# Altium PCB Main_Board.PcbDoc (part 2 of 19) (continued)
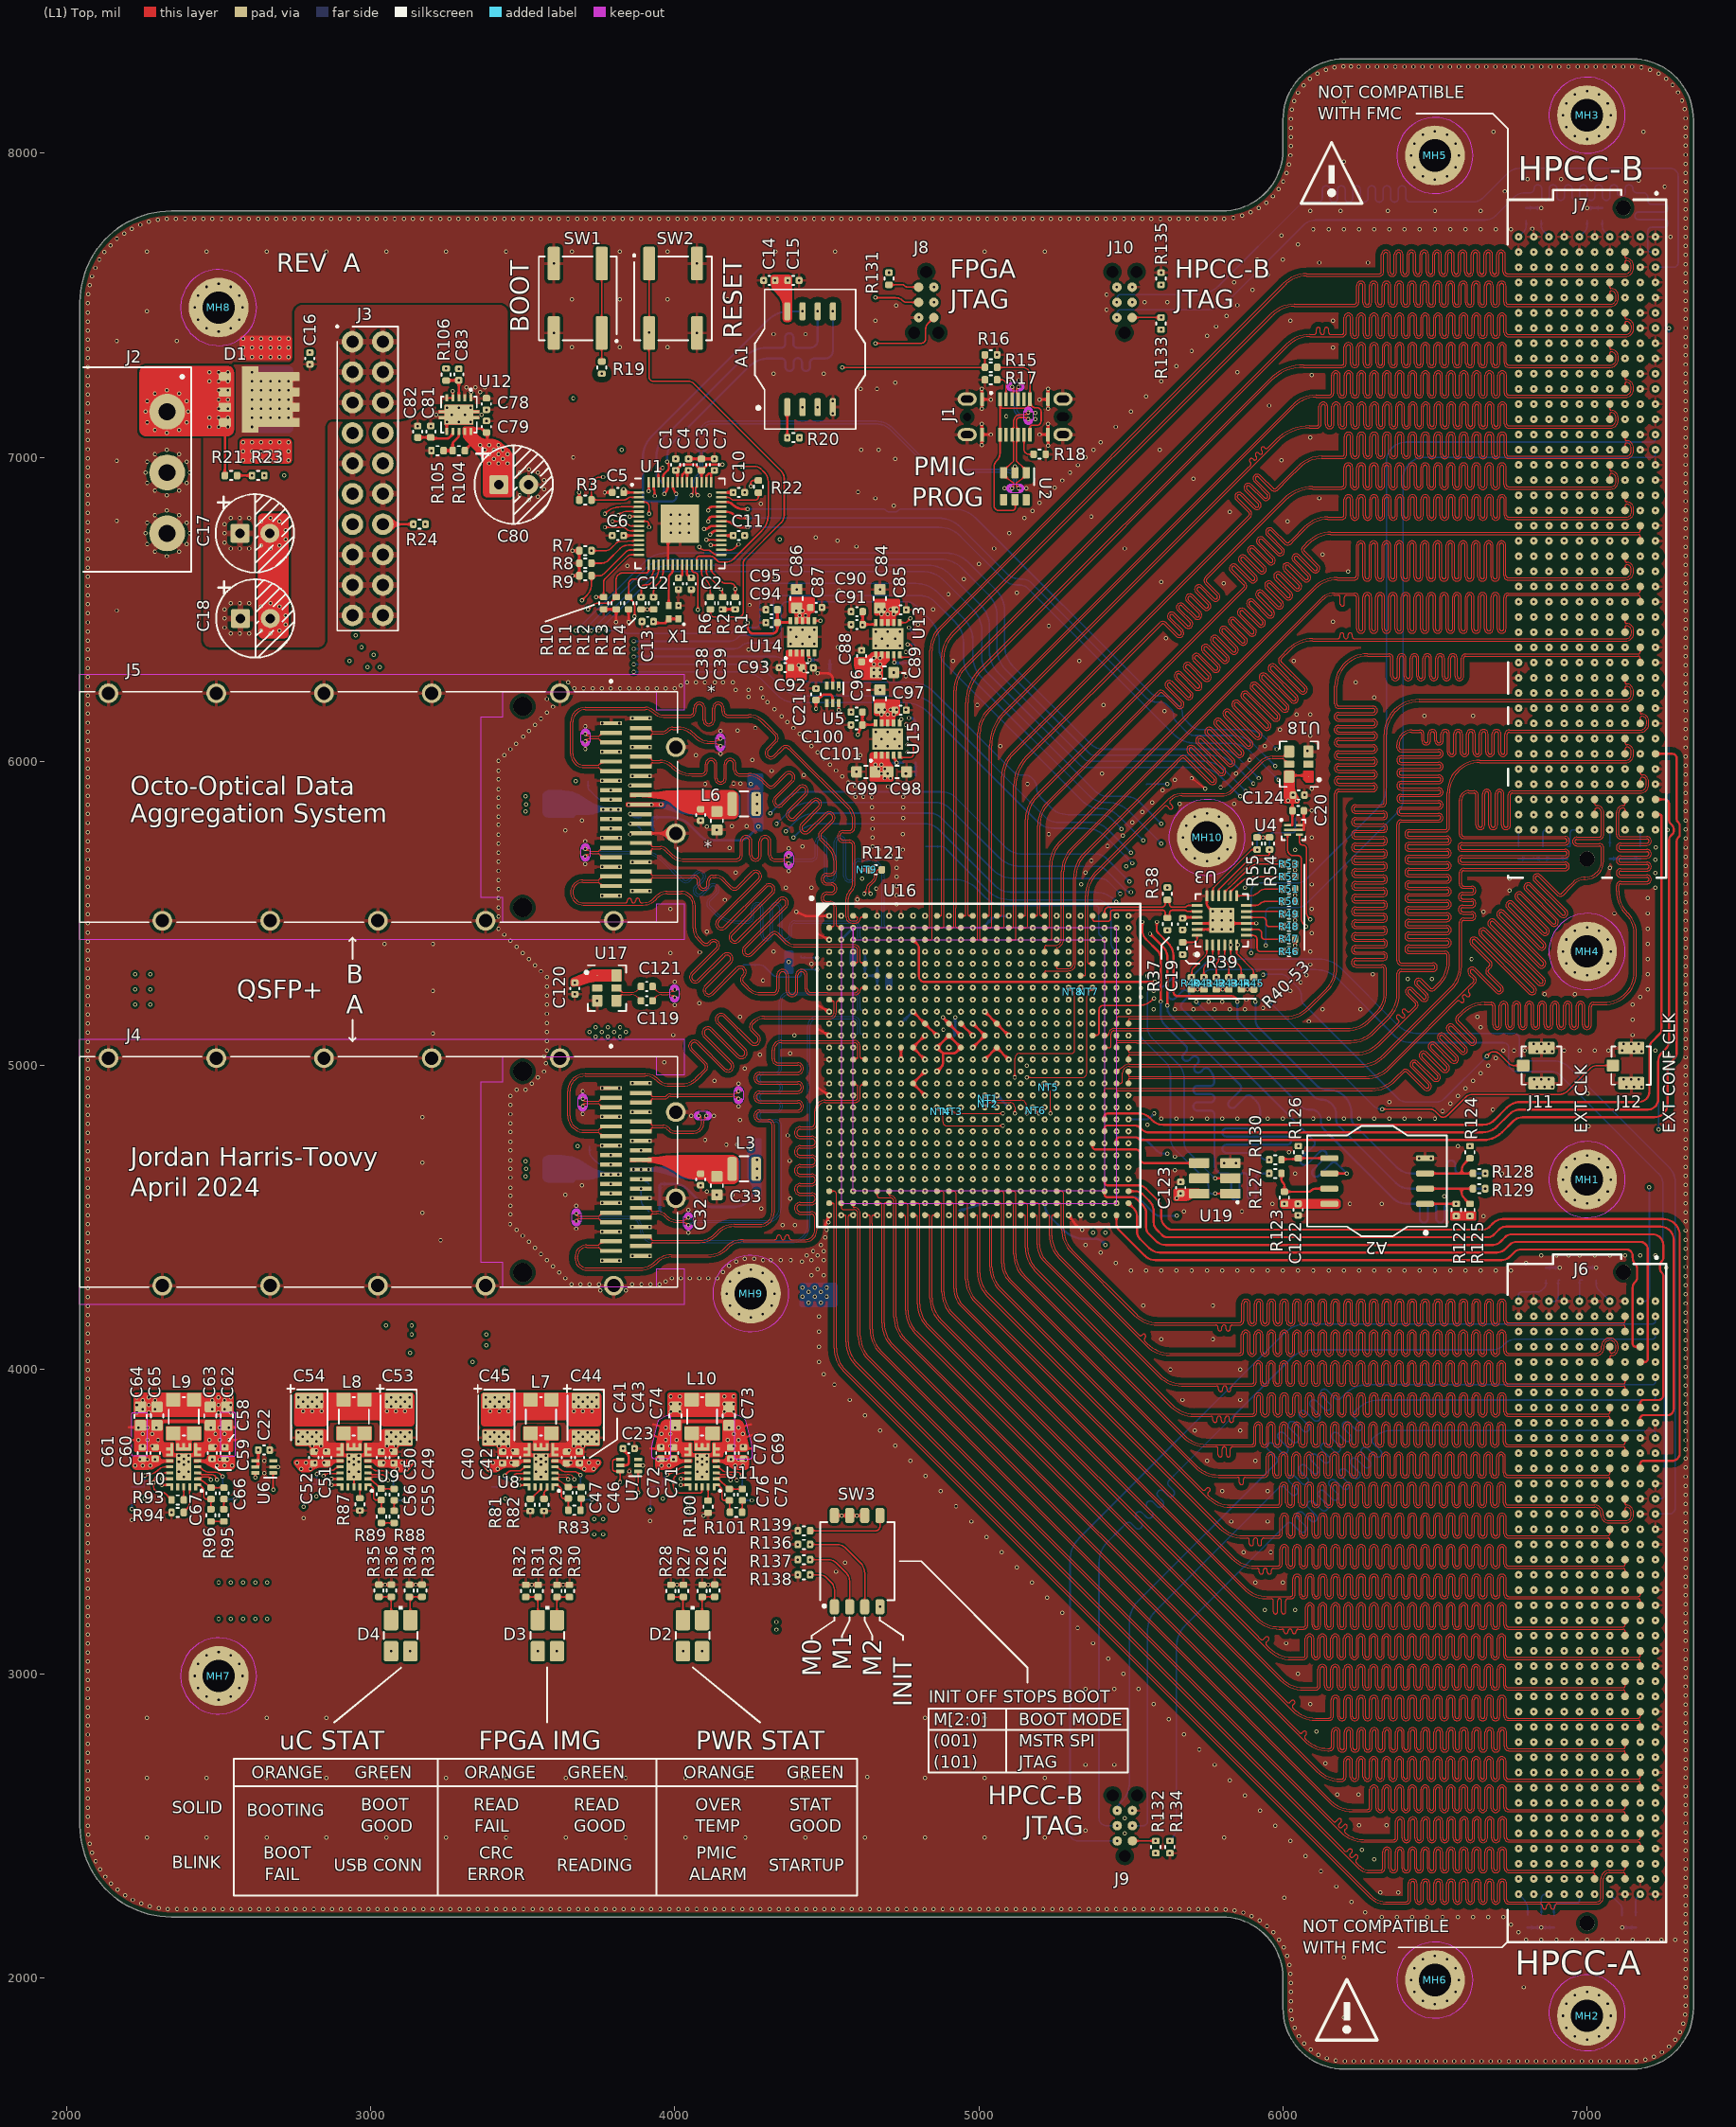
[diagram p0: (L1) Top view]
## Footprints (in the part's own frame and the unit in brackets; to place one, negate y for a bottom-side part, rotate by r counter-clockwise, add the part's x,y. Pads: shape width x height; smd on the part's side, far side on the other; paste and mask are expansions set on the pad) (continued)
  round 1.27 hole 1.27 unplated: ""(-27.189,3.05) ""(27.191,0)
  silkscreen extent -28.66,-6.62 28.76,6.62, body extent -28.73,-6.62 28.73,6.62, height 6.56
Si514_Size-B [mm] "Footprint for Skyworks Solutions's Si514 devices in the B case size (3.2 x 5.0 mm)"
  rrect15% 1.7x0.8 smd: 1(-1.3,1.27) 2(-1.3,0) 3(-1.3,-1.27) 4(1.3,-1.27) 5(1.3,0) 6(1.3,1.27)
  silkscreen extent -1.95,1.95 -1.85,2.05, body extent -1.6,-2.5 1.6,2.5, height 1.33
SMD_NET_TIE#1 [mm] "SMD Net Tie"
  rect 0.05x0.1 smd mask-0.508: 1(-0.035,0) 2(-0.035,0)
  (L1) Top region: -0.06,-0.025 -0.01,-0.025 -0.01,0.025 -0.06,0.025
SMD_NET_TIE#2 [mm] "SMD Net Tie"
  rect 0.05x0.1 smd mask-0.508: 1(-0.014,0) 2(-0.014,0)
  (L1) Top region: -0.039,-0.026 0.011,-0.026 0.011,0.024 -0.039,0.024
SMD_NET_TIE#3 [mm] "SMD Net Tie"
  rect 0.05x0.1 smd mask-1: 1(-0.035,0) 2(0.035,0)
  (L1) Top region: -0.031,-0.025 0.019,-0.025 0.019,0.025 -0.031,0.025
STM_DFN5 [mm] "Footprint for the STMicroelectronics M24128 EEPROMs in the 5-UFDFPN (1.7x1.4 mm) package"
  rrect20% 0.6x0.2 smd: 1(-0.5,0.4) 3(-0.5,-0.4) 4(0.5,-0.4) 5(0.5,0.4)
  rrect20% 1.6x0.2 smd: 2(0,0)
  silkscreen extent -1.07,-0.85 1,0.87, body extent -0.9,-0.75 0.9,0.75, height 0.61
TAG-CONNECT_NO-LEGS_6PIN [mm] "Footprint for Tag-Connect's 6-pin legless JTAG programming site"
  round 0 hole 1 unplated: 0(-2.54,0) 0(2.54,1.016) 0(2.54,-1.016)
  round 0.79 smd paste-2.54: 1(-1.27,-0.635) 2(-1.27,0.635) 3(0,-0.635) 4(0,0.635) 5(1.27,-0.635) 6(1.27,0.635)
TDK_CLT32 [mm] "TDK Power Inductors, 3.2 x 2.5 x 2.5 (mm)"
  rrect15% 1.15x1.2 smd: 1(-1.4,-0.875) 2(-1.4,0.875) 3(1.4,0.875) 4(1.4,-0.875)
  silkscreen extent -1.6,-1.25 1.6,1.25, body extent -1.64,-1.29 1.64,1.29, height 2.62
TE_796638-3 [mm] "Footprint for TE Connectivity's 3-pin members of their 796638 series parts"
  round 3 hole 1.4: 1(-5.08,0) 2(0,0) 3(5.08,0)
  silkscreen extent -8.77,-7 8.27,2.02, body extent -8.78,-10 8.28,2, height 8.4
TE_IPEX [mm] "Footprint for TE Connectivity's U.FL (UMCC) connectors"
  rrect25% 1x1.05 smd mask+0.05: 1(0,-1.525)
  rrect25% 1.05x2.2 smd mask+0.05: 2(-1.475,0) 2(1.475,0)
  silkscreen extent -1.6,-1.66 1.6,1.65, body extent -1.5,-1.55 1.5,1.55, height 1.3
ThermaWick_0612 [mm] "Thermal Jumper footprint in 0612 (reverse) package"
  rrect25% 1x3.4 smd: 1(-0.75,0) 2(0.75,0)
  silkscreen extent -0.1,-1.73 0.1,1.73, body extent -0.8,-1.6 0.8,1.6, height 0.76
TI_10VSON_DRC0010J_ADDVIA [mm] "Texas Instruments 10VSON/DRC0010J footprint with more thermal vias than the original design"
  rrect21% 0.6x0.24 smd: 1(-1.4,1) 2(-1.4,0.5) 3(-1.4,0) 4(-1.4,-0.5) 5(-1.4,-1) 6(1.4,-1) 7(1.4,-0.5) 8(1.4,0) 9(1.4,0.5) 10(1.4,1)
  rrect21% 0.25x0.6 smd: 11(-0.25,1.4) 11(-0.25,-1.4) 11(0.25,1.4) 11(0.25,-1.4)
  rrect4% 1.65x2.4 smd paste-0.381: 11(0,0)
  (L1) Top region: -0.8,-1.2 -0.4,-1.2 -0.39,-1.202 -0.382,-1.207 -0.377,-1.215 -0.375,-1.225 -0.375,-1.225 -0.375,-1.675 -0.373,-1.685 -0.368,-1.693 -0.36,-1.698 -0.35,-1.7 -0.35,-1.7 -0.15,-1.7 -0.138,-1.697 -0.128,-1.688 -0.125,-1.675 -0.125,-1.675 -0.125,-1.225 -0.122,-1.213 -0.113,-1.203 -0.1,-1.2 -0.1,-1.2 0.1,-1.2 0.11,-1.202 0.118,-1.207 0.123,-1.215 0.125,-1.225 0.125,-1.225 0.125,-1.675 0.127,-1.685 0.132,-1.693 0.14,-1.698 0.15,-1.7 0.15,-1.7 0.35,-1.7 0.362,-1.697 0.372,-1.688 0.375,-1.675 0.375,-1.675 0.375,-1.225 0.377,-1.215 0.382,-1.207 0.39,-1.202 0.4,-1.2 0.4,-1.2 0.8,-1.2 0.81,-1.198 0.818,-1.193 0.823,-1.185 0.825,-1.175 0.825,-1.175 0.825,1.175 0.823,1.185 0.818,1.193 0.81,1.198 0.8,1.2 0.8,1.2 0.4,1.2 0.39,1.202 0.382,1.207 0.377,1.215 0.375,1.225 0.375,1.225 0.375,1.675 0.373,1.685 0.368,1.693 0.36,1.698 0.35,1.7 0.35,1.7 0.15,1.7 0.14,1.698 0.132,1.693 0.127,1.685 0.125,1.675 0.125,1.675 0.125,1.225 0.123,1.215 0.118,1.207 0.11,1.202 0.1,1.2 0.1,1.2 -0.1,1.2 -0.11,1.202 -0.118,1.207 -0.123,1.215 -0.125,1.225 -0.125,1.225 -0.125,1.675 -0.127,1.685 -0.132,1.693 -0.14,1.698 -0.15,1.7 -0.15,1.7 -0.35,1.7 -0.362,1.697 -0.372,1.687 -0.375,1.675 -0.375,1.675 -0.375,1.225 -0.377,1.215 -0.382,1.207 -0.39,1.202 -0.4,1.2 -0.4,1.2 -0.8,1.2 -0.813,1.197 -0.822,1.187 -0.825,1.175 -0.825,1.175 -0.825,-1.175 -0.823,-1.185 -0.818,-1.193 -0.81,-1.198 -0.8,-1.2
  silkscreen extent -2.15,-1.5 1.5,1.5, body extent -1.5,-1.5 1.5,1.5, height 1
TI_SOT-563 [mm] "Texas Instruments SOT-563/SOT-666 footprint"
  rrect25% 0.67x0.3 smd: 1(-0.74,0.5) 2(-0.74,0) 3(-0.74,-0.5) 4(0.74,-0.5) 5(0.74,0) 6(0.74,0.5)
  silkscreen extent -1,0.9 0,0.9, body extent -0.8,-0.8 0.8,0.8, height 0.6
TP_3MM [mm] "SMD Test point 3mm circle"
  round 2 smd paste-2539.97: 1(0,0)
  silkscreen extent -1.2,-1.2 1.2,1.2
TPS6287x-Q1 [mm] "Footprint for the Texas Instruments TPS6287x-Q1 family of PMICs"
  rrect25% 0.6x0.25 smd mask+0.05: 1(-1.175,1.5) 2(-1.175,1) 3(-1.175,0.5) 4(-1.175,0) 5(-1.175,-0.5) 9(1.175,-0.5) 10(1.175,0) 11(1.175,0.5) 12(1.175,1) 13(1.175,1.5)
  rrect25% 0.25x0.6 smd mask+0.05: 1(-1,1.675) 13(1,1.675) 14(0.5,1.675) 15(0,1.675) 16(-0.5,1.675)
  rrect25% 0.6x0.25 smd mask+0: 6(-1.175,-1.5) 6(-1.175,-1) 8(1.175,-1.5) 8(1.175,-1)
  rrect25% 0.25x0.6 smd mask+0: 6(-1,-1.675) 6(-1,-1.25) 7(-0.5,-1.675) 7(0,-1.675) 7(0.5,-1.675) 8(1,-1.675) 8(1,-1.25)
  rrect25% 0.6x0.275 smd mask+0: 7(-0.25,-1.512) 7(0.25,-1.512)
  rrect5% 1.25x2.25 smd paste-0.205 mask+0.05: 17(0,0)
  (L1) Top region: -1.525,-0.9 -1.525,-1.6 -1.519,-1.629 -1.503,-1.653 -1.479,-1.669 -1.45,-1.675 -1.45,-1.675 -1.25,-1.675 -1.221,-1.681 -1.197,-1.697 -1.181,-1.721 -1.175,-1.75 -1.175,-1.75 -1.175,-1.95 -1.169,-1.979 -1.153,-2.003 -1.129,-2.019 -1.1,-2.025 -1.1,-2.025 -0.9,-2.025 -0.871,-2.019 -0.847,-2.003 -0.831,-1.979 -0.825,-1.95 -0.825,-1.95 -0.825,-0.9 -0.831,-0.871 -0.847,-0.847 -0.871,-0.831 -0.9,-0.825 -0.9,-0.825 -1.45,-0.825 -1.479,-0.831 -1.503,-0.847 -1.519,-0.871 -1.525,-0.9
  (L1) Top region: -0.675,-1.4 -0.675,-1.95 -0.669,-1.979 -0.653,-2.003 -0.629,-2.019 -0.6,-2.025 -0.6,-2.025 0.6,-2.025 0.629,-2.019 0.653,-2.003 0.669,-1.979 0.675,-1.95 0.675,-1.95 0.675,-1.4 0.669,-1.371 0.653,-1.347 0.629,-1.331 0.6,-1.325 0.6,-1.325 -0.6,-1.325 -0.629,-1.331 -0.653,-1.347 -0.669,-1.371 -0.675,-1.4
  (L1) Top region: 1.525,-0.9 1.525,-1.6 1.519,-1.629 1.503,-1.653 1.479,-1.669 1.45,-1.675 1.45,-1.675 1.25,-1.675 1.221,-1.681 1.197,-1.697 1.181,-1.721 1.175,-1.75 1.175,-1.75 1.175,-1.95 1.169,-1.979 1.153,-2.003 1.129,-2.019 1.1,-2.025 1.1,-2.025 0.9,-2.025 0.871,-2.019 0.847,-2.003 0.831,-1.979 0.825,-1.95 0.825,-1.95 0.825,-0.9 0.831,-0.871 0.847,-0.847 0.871,-0.831 0.9,-0.825 0.9,-0.825 1.45,-0.825 1.479,-0.831 1.503,-0.847 1.519,-0.871 1.525,-0.9
  silkscreen extent -1.55,1.95 -1.45,2.05, body extent -1.28,-1.78 1.28,1.78, height 1.05
USB4145-03-0230-C [mm] "Footprint for GCT's USB4145-03-0xxx-C family of USB-C sockets"
  round 0 hole 0.71 unplated: 0(-4,0)
  round 0 hole 0.71 slot 1.01 at 0 deg unplated: 0(4,0)
  rrect25% 0.3x1.15 smd: A1(-2.75,1.485) A4(-1.25,1.485) A5(-0.75,1.485) A6(-0.25,1.485) A7(0.25,1.485) A8(0.75,1.485) A9(1.25,1.485) A12(2.75,1.485) B1(2.75,-1.485) B4(1.25,-1.485) B5(0.75,-1.485) B6(0.25,-1.485) B7(-0.25,-1.485) B8(-0.75,-1.485) B9(-1.25,-1.485) B12(-2.75,-1.485)
  rrect100% 1.6x1.1 hole 0.6 slot 1.01 at 0 deg: TAB(-4,-1.485) TAB(-4,1.485) TAB(4,-1.485) TAB(4,1.485)
  silkscreen extent -2.05,1.95 -1.95,2.05, body extent -4.48,-1.84 4.47,1.85, height 7.46
Vishay_FlatPAK_5x6 [mm] "Footprint for the Vishay FlatPAK 5x6 (mm) package"
  rrect16% 0.75x1 smd: 1(-1.905,-3.55) 2(-0.635,-3.55) 3(0.635,-3.55) 4(1.905,-3.55)
  rrect16% 0.75x0.76 smd: 5(1.905,2.32) 6(0.635,2.32) 7(-0.635,2.32) 8(-1.905,2.32)
  rrect2% 4.56x4.28 smd paste-2539.97: 8(0,0)
  rrect6% 5.55x1.4 smd paste-2539.97: 8(0,-1.44)
  (L1) Top region: -0.26,2.325 -0.26,2.21 -0.251,2.175 -0.225,2.149 -0.19,2.14 -0.19,2.14 0.19,2.14 0.225,2.149 0.251,2.175 0.26,2.21 0.26,2.21 0.26,2.325 0.4,2.325 0.4,2 -0.375,2 -0.375,2.325
  (L1) Top region: -2.5,-0.75 -2.375,-0.75 -2.325,-0.737 -2.288,-0.7 -2.275,-0.65 -2.275,-0.65 -2.275,-0.5 -2.05,-0.5 -2.05,-0.9 -2.5,-0.9
  (L1) Top region: 2.5,-0.75 2.375,-0.75 2.325,-0.737 2.288,-0.7 2.275,-0.65 2.275,-0.65 2.275,-0.5 2.05,-0.5 2.05,-0.9 2.5,-0.9
  (L1) Top region: -1.53,2.325 -1.53,2.205 -1.525,2.18 -1.511,2.159 -1.49,2.145 -1.465,2.14 -1.465,2.14 -1.085,2.14 -1.056,2.146 -1.032,2.162 -1.016,2.186 -1.01,2.215 -1.01,2.215 -1.01,2.325 -0.85,2.325 -0.85,1.95 -1.7,1.95 -1.7,2.325
  (L1) Top region: 1.53,2.325 1.53,2.205 1.525,2.18 1.511,2.159 1.49,2.145 1.465,2.14 1.465,2.14 1.085,2.14 1.056,2.146 1.032,2.162 1.016,2.186 1.01,2.215 1.01,2.215 1.01,2.325 0.85,2.325 0.85,1.95 1.7,1.95 1.7,2.325
  body extent -2.58,-3.83 2.58,2.37, height 0.95

## Part data
A1 A2: library part MT25QL128ABA1ESE_ACA-SPI-004, "FLASH - NOR Memory IC 128Mbit SPI (Q)SPI 133 MHz 8-SO In ACA-SPI-004-K01 socket", Manufacturer="Micron Technology Inc", Manufacturer2=LOTES, Manufacturer2 Part Number=ACA-SPI-004-K01, Manufacturer Part Number=MT25QL128ABA1ESE
C1 C2 C4 C5 C6 C7 C8 C9 C10 C13 C15 C19 C20 C21 C22 C23 C24 C26 C28 C30 C32 C34 C36 C38 C41 C42 C50 C51 C59 C60 C70 C71 C90 C94 C100 C119 C120 C121 C122 C123 C124: library part GRM155R71C104KA88D, "0.1µF 16V X7R SMD ceramic capacitor in 0402 size", Manufacturer="Murata Electronics", Manufacturer Part Number=GRM155R71C104KA88D
C3 C11 C91 C95 C101: library part GRM155Z71A105KE01D, "1µF 10V X7R SMD ceramic capacitor in 0402 size", Manufacturer="Murata Electronics", Manufacturer Part Number=GRM155Z71A105KE01D
C12 C16 C40 C43 C49 C52 C58 C61 C79 C85 C87 C88 C92 C93 C97: library part CC0402MRX5R6BB106, "10µF 10V X5R SMD ceramic capacitor in 0402 size", Manufacturer=YAGEO, Manufacturer Part Number=CC0402MRX5R6BB106
C14 C69 C72 C78 C102 C103 C104 C110 C111 C112: library part GRM155R61A475MEAAJ, "4.7µF 10V X5R SMD ceramic capacitor in 0402 size", Manufacturer="Murata Electronics", Manufacturer Part Number=GRM155R61A475MEAAJ
C17 C18 C80: library part A759EK337M1AAAE018, "330µF 10V Aluminum polymer capacitor, KEMET EK", Manufacturer=KEMET, Manufacturer Part Number=A759EK337M1AAAE018
C25 C27 C29 C31 C33 C35 C37 C39 C84 C86 C96 C98: library part GRM188R60J226MEA0D, "22µF 6.3V X5R SMD ceramic capacitor in 0603 size", Manufacturer="Murata Electronics", Manufacturer Part Number=GRM188R60J226MEA0D
C44 C45: library part 2TPSF270M9G, "270µF 2V 9mOhm SMD tantalum capacitor in EIA-3528-21size", Manufacturer=Panasonic, Manufacturer Part Number=2TPSF270M9G
C46: library part GCM1555C1H681FA16D, "680pF 50V C0G/NP0 SMD ceramic capacitor in 0402 size", Manufacturer="Murata Electronics", Manufacturer Part Number=GCM1555C1H681FA16D
C47 C48 C56 C57 C67 C68 C76 C77 C83: library part GRM1555C1H100JA01D, "10pF 50V C0G/NP0 SMD ceramic capacitor in 0402 size", Manufacturer="Murata Electronics", Manufacturer Part Number=GRM1555C1H100JA01D
C53 C54: library part T55B157M6R3C0025, "150µF 6.3V 25mOhm SMD tantalum capacitor in EIA-3528-21size", Manufacturer="Vishay Polytech", Manufacturer Part Number=T55B157M6R3C0025
C55 C66: library part GCM155R71H272KA37D, "2700pF 50V X7R SMD ceramic capacitor in 0402 size", Manufacturer="Murata Electronics", Manufacturer Part Number=GCM155R71H272KA37D
C62 C63 C64 C65 C73 C74 C89 C99 C113 C114 C115 C116 C117 C118: library part GRM188R60J476ME15D, "47µF 6.3V X5R SMD ceramic capacitor in 0603 size", Manufacturer="Murata Electronics", Manufacturer Part Number=GRM188R60J476ME15D
C75 C81 C82: library part GRM155R71E682KA01D, "6800pF 25V X7R SMD ceramic capacitor in 0402 size", Manufacturer="Murata Electronics", Manufacturer Part Number=GRM155R71E682KA01D
C105 C106 C109: library part GRM21BR60J107ME15L, "100µF 6.3V X5R SMD ceramic capacitor in 0805 size", Manufacturer="Murata Electronics", Manufacturer Part Number=GRM21BR60J107ME15L
C107 C108: library part T520B337M2R5ATE015, "330µF 2.5V 15mOhm SMD tantalum capacitor in EIA-3528-21size", Manufacturer=KEMET, Manufacturer Part Number=T520B337M2R5ATE015
D1: library part V30K45-M3/H, "Schottky Diode 45V 30A FLATPAK, Vishay", Manufacturer="Vishay General Semiconductor", Manufacturer Part Number=V30K45-M3/H
D2 D3 D4: "LED 1210 Green/Orange dual 2.1Vf 160deg 60/300 mcd@20mA", Manufacturer=Kingbright, Manufacturer Part Number=APB3025SEKCGKC-F01
J1: "USB 2.0 TYPE-C RECPT VERT XL TABS SMT", Manufacturer=GCT, Manufacturer Part Number=USB4145-03-0230-C
J2: "3 Position Terminal Block Header, Male Pins, Shrouded / NOTE: Mating wire-to-pin socket is 796635-3", Manufacturer="TE Connectivity", Manufacturer2 Part Number=796635-3, Manufacturer2="TE Connectivity", Manufacturer Part Number=796638-3
J3: "THT Header 20 (2x10) position 0.1\"", Manufacturer="Adam Tech", Manufacturer Part Number=PH2-20-UA
J4 J5: library part U95T151100A_FS1-Z38-20Z6-6, "Amphenol 38 Position QSFP+ receptacle and cage", Manufacturer="Amphenol ICC", Manufacturer2 Part Number=FS1-Z38-20Z6-60, Manufacturer Part Number=U95-T151-100A, Manufacturer2="Amphenol ICC"
J6 J7: "400 Position Connector Array, Female Sockets Surface Mount Gold", Manufacturer=Samtec, Manufacturer Part Number=ASP-134486-01
J8 J9 J10: "6-pin (legless) Xilinx JTAG Tag-Connect site", Manufacturer=NONE, Manufacturer2=Tag-Connect, Manufacturer2 Part Number=TC2030-IDC-NL, Manufacturer Part Number=NONE
J11 J12: library part CONUFL001-SMD-T, "U.FL (UMCC) Connector, SMD, 50Ohm", Manufacturer="TE Connectivity", Manufacturer Part Number=CONUFL001-SMD-T
L1 L2 L3 L4 L5 L6: library part DFE252012F-1R0M=P2, "1µH Shielded 3.3A 40mOhm 1008 Inductor", Manufacturer="Murata Electronics", Manufacturer Part Number=DFE252012F-1R0M=P2
L7 L8 L9 L10: library part CLT3217N, "Inductor 150nH 3.3mOhm 25.4A AEC-Q200, TDK", Manufacturer=EPCOS/TDK, Manufacturer Part Number=CLT32-17N
MH1 MH2 MH3 MH4 MH5 MH6 MH7 MH8 MH9 MH10: "M.2 Mounting hole", Manufacturer=NONE, Manufacturer Part Number=NONE
NT1 NT2 NT3 NT4 NT5 NT6 NT7 NT8 NT9: library part Net_Tie_SMD, "SMD Net Tie", Manufacturer=NONE, Manufacturer Part Number=NONE
R1 R2 R3 R37 R38 R39 R40 R41 R42 R43 R44 R45 R46 R47 R48 R49 R50 R51 R52 R53 R54 R55 R56 R57 R58 R59 R60 R61 R111 R117 R118 R122 R123 R124 R125 R126 R134 R135: library part ERJ-2RKF4701X, "4.7KOhm 1% 1/10W SMD resistor in 0402 size", Manufacturer=Panasonic, Manufacturer Part Number=ERJ-2RKF4701X
R4 R5 R127 R128 R129 R130: library part ERJ-2RKF27R0X, "27Ohm 1% 1/10W SMD resistor in 0402 size", Manufacturer=Panasonic, Manufacturer Part Number=ERJ-2RKF27R0X
R6 R19 R96 R105 R136 R137 R138 R139: library part ERJ-2RKF1151X, "1.15KOhm 1% 1/10W SMD resistor in 0402 size", Manufacturer=Panasonic, Manufacturer Part Number=ERJ-2RKF1151X
R7 R8 R9 R10 R11 R12 R13 R14 R20 R84 R90 R97 R102 R107 R113: library part ERJ-2RKF1002X, "10KOhm 1% 1/10W SMD resistor in 0402 size", Manufacturer=Panasonic, Manufacturer Part Number=ERJ-2RKF1002X
R15 R104 R109 R114 R115 R116: library part ERJ-2RKF3571X, "3.57KOhm 1% 1/10W SMD resistor in 0402 size", Manufacturer=Panasonic, Manufacturer Part Number=ERJ-2RKF3571X
R16 R81 R110: library part ERJ-2RKF6201X, "6.2KOhm 1% 1/10W SMD resistor in 0402 size", Manufacturer=Panasonic, Manufacturer Part Number=ERJ-2RKF6201X
R17 R18 R83: library part ERJ-2RKF5111X, "5.11KOhm 1% 1/10W SMD resistor in 0402 size", Manufacturer=Panasonic, Manufacturer Part Number=ERJ-2RKF5111X
R21 R23 R24 R80 R82 R86 R87 R92 R93 R94 R99 R100 R106: library part ERJ-2RKF4702X, "47KOhm 1% 1/10W SMD resistor in 0402 size", Manufacturer=Panasonic, Manufacturer Part Number=ERJ-2RKF4702X
R22 R62 R63 R64 R65 R66 R67 R68 R69 R70 R71 R72 R73 R74 R75 R76 R77 R78 R79 R131 R132 R133: library part ERJ-2GE0R00X, "Jumper 0Ohm SMD resistor in 0402 size", Manufacturer=Panasonic, Manufacturer Part Number=ERJ-2GE0R00X
R25 R26 R27 R28 R29 R30 R31 R32 R33 R34 R35 R36 R85 R88 R89 R91 R98 R103 R108: library part ERJ-2RKF1001X, "1KOhm 1% 1/10W SMD resistor in 0402 size", Manufacturer=Panasonic, Manufacturer Part Number=ERJ-2RKF1001X
R95 R101 R112: library part ERJ-2RKF2610X, "261Ohm 1% 1/10W SMD resistor in 0402 size", Manufacturer=Panasonic, Manufacturer Part Number=ERJ-2RKF2610X
R119 R120: library part ERJ-2RKD49R9X, "49.9Ohm 0.5% 1/16W SMD resistor in 0402 size", Manufacturer=Panasonic, Manufacturer Part Number=ERJ-2RKD49R9X
R121: library part ERJ-2RHD1000X, "100Ohm 0.5% 1/16W SMD resistor in 0402 size", Manufacturer=Panasonic, Manufacturer Part Number=ERJ-2RHD1000X
SW1: "Tactile Switch SPST-NO (MOM) SMD back actuator", Manufacturer=C&K, Manufacturer Part Number="KSC353J LFG"
SW2: "Tactile Switch SPST-NO (MOM) SMD red long actuator", Manufacturer=C&K, Manufacturer Part Number="KSC401J 50SH LFS"
SW3: "Dip Switch SPST 4 Position 25mA 24VDC", Manufacturer=C&K, Manufacturer Part Number=TDA04H0SB1R
TJ1 TJ2: "ThermaWick Thermal Jumper 0612", Manufacturer="Vishay Dale", Manufacturer Part Number=THJP0612AST1
TP1 TP2 TP3 TP4 TP5 TP6 TP7 TP8 TP9 TP10 TP11 TP12: library part "SMD Test Point", "SMD Test point 3mm circle", Manufacturer=NONE, Manufacturer Part Number=NONE
U1: library part RP2040/SC0914, "ARM Cortex-M0+ - Microcontroller IC 32-Bit Dual-Core 133MHz External Program Memory 56-QFN (7x7)", Manufacturer="Raspberry Pi", Manufacturer Part Number=SC0914(7)
U2: "4CH 6V Break 12V Clamp TVS Diode USB", Manufacturer=onsemi, Manufacturer Part Number=NSP4201MR6T1G
U3: library part PCA9548ABS,118, "8-channel I 2 C-bus switch, 24-HVQFN", Manufacturer=NXP, Manufacturer Part Number=PCA9548ABS,118
U4: "EEPROM 128Kbit I2C 1MHz 450 ns", Manufacturer=STMicroelectronics, Manufacturer Part Number=M24128-BFMH6TG
U5 U6 U7: library part TMP1075NDRLR, "Temperature Sensor Digital, Local -40°C ~ 125°C 12 b SOT-563", Manufacturer="Texas Instruments", Manufacturer Part Number=TMP1075NDRLR
U8 U9 U10 U11: library part TPS62873QWRXSRQ1, "Switching Voltage Regulators Automotive 2.7-V to 6-V input, 15-A, stackable, synchronous buck converter 16-VQFN-FCRLF -40 to 125C", Manufacturer="Texas Instruments", Manufacturer Part Number=TPS62873QWRXSRQ1
U12: "LDO 1.5A 10-VSON", Manufacturer="Texas Instruments", Manufacturer Part Number=TPS74801DRCR
U13 U14 U15: "LDO 0.8-3.12V 3A 10-UFDFN Diodes Incorporated", Manufacturer="Diodes Incorporated", Manufacturer Part Number=AP7176BFN-7
U16: library part XC7K160T-2FFG676I, "Kintex-7 FPGA, 400 User I/Os, 8 GTX, 676-Ball BGA, Speed Grade 2, Industrial Grade, Pb-Free", Manufacturer=AMD/Xilinx, Manufacturer Part Number=XC7K160T-2FFG676I
U17: "MEMS OSC XO 156.2500MHZ LVDS SMD", Manufacturer="Microchip Technology", Manufacturer Part Number=DSC1123CI2-156.2500T
U18: "MEMS OSC XO 200.0000MHZ LVDS SMD", Manufacturer="Microchip Technology", Manufacturer Part Number=DSC1123CI2-200.0000
U19: "I2C Programmable oscillator differential/single-ended 0.1-125 MHz", Manufacturer="Skyworks Solutions", Manufacturer Part Number=514CCC000107BAG
X1: library part ECS-1612MV-120-CN-TR, "12 MHz XO (Standard) CMOS Oscillator 1.6V ~ 3.63V Standby (Power Down) 4-SMD, No Lead", Manufacturer="ECS Inc", Manufacturer Part Number=ECS-1612MV-120-CN-TR

## Via types
v1: diameter 13.78, hole 7.87, (L1) Top to (L12) Bottom, tented both sides, 4044 vias
v2: diameter 13.78, hole 7.87, (L1) Top to (L12) Bottom, tented bottom, 9 vias

## Nets (pads, with @x,y where several pads share a name; then routed paths per layer and width w, separated by ;. In a path a pad name is that pad's centre, name@x,y a point inside that pad or via, vN(x,y) a via of type N, cw(c..) or ccw(c..) an arc to the next point about the centre after c; other vN are vias at no path point)
1V0: C44.1 C45.1 C107.1 C108.1 C109.2 C110.2 C111.2 C112.2 L7.3 L7.4 NT1.2 U16.J9 U16.K8 U16.K10 U16.K12 U16.K14 U16.L9 U16.L13 U16.L15 U16.M8 U16.M14 U16.N9 U16.N13 U16.N15 U16.P14 U16.R13 U16.R15 U16.T12 U16.T14 U16.U13 U16.U15 | length 690.6
  (L1) Top w4: U16.T14@5019.69,4901.31 v1(5019.69,4901.57)
  (L1) Top w5: U16.T14@5019.69,4901.31 NT1.2@5030,4891
  (L1) Top w8: v1(4822.83,5019.69) U16.M8@4783.46,5059.06 v1(4822.83,5098.43) ; U16.K12@4940.94,5137.8 v1(4980.31,5098.43)
  (L5) Inner 4 w5: 3540,4381 3541.64,4381 3559.64,4399 ; 3555,4355 3581,4381 ; 3580,4340 3599,4359 3599,4360 ; 3598,4318 3620,4340 ; 3621,4301 3639,4319 ; 3638.36,4279 3659.36,4300 3660,4300 ; 3675,4266 3675,4296 ; 3705,4267 3705,4293 ; 3735,4269 3735,4294 ; 3842,4280 3842,4278 3859,4261 ; 3875,4266 3875,4292 ; 3905,4269 3905,4291 ; 3935,4270 3935,4292 ; 4005,4286 4005,4313 ; 4035,4285 4035,4314 ; 4065,4287 4065,4313 ; 4095,4285 4095,4313 ; 4125,4289 4125,4313 ; 4365,4350 4365,4369
  other v1: 3393,3863.89 3423,3863.89 3453,3863.89 3668,3863.89 3698,3863.89 3728,3863.89 3378,3878.89 3408,3878.89 3438,3878.89 3683,3878.89 3713,3878.89 3743,3878.89 3393,3893.89 3423,3893.89 3453,3893.89 3668,3893.89 3698,3893.89 3728,3893.89 3378,3908.89 3408,3908.89 3438,3908.89 3683,3908.89 3713,3908.89 3743,3908.89 4440,4220 4480,4220 4420,4240 4460,4240 4500,4240 4440,4255 4480,4255 4420,4270 4460,4270 4500,4270 4980.31,4862.2 5059.06,4862.2 4940.94,4901.57 4980.31,4940.94 5059.06,4940.94 5019.69,4980.31 4980.31,5019.69 5059.06,5019.69 5019.69,5059.06 5059.06,5098.43 4783.46,5137.8 4862.2,5137.8 5019.69,5137.8 4822.83,5177.17
1V0_EN: R7.2 R80.2 U1.11 | length 4320.9
  (L1) Top w5: v1(3726.08,6693) 3770.17,6693 ccw(c3770.17,6723.97) 3792.07,6702.07 3807.34,6717.34 cw(c3821,6703.69) 3821,6723 3866.94,6725.44 U1.11@3881.67,6726.88
  (L3) Inner 2 w5: v1(3380,4080) 3130,4080 cw(c3130,4095) 3115,4095 3115,4160 cw(c3135,4160) 3135,4180 3235,4180 ccw(c3235,4205) 3260,4205 3260,6100 cw(c3332.43,6100) 3281.21,6151.21 3696.79,6566.79 ccw(c3626.08,6637.5) 3726.08,6637.5 v1(3726.08,6693)
  (L8) Inner 7 w5: v1(3380,4080) 3380,3985 ccw(c3400,3985) 3400,3965 3755,3965 cw(c3755,3940) 3780,3940 ; v1(3728,3571.89) 3766.89,3571.89 ccw(c3766.89,3585) 3780,3585 3780,3938.85
  (L12) Bottom w5: R80.2@3690,3571.89 v1(3728,3571.89)
1V0_GTX: C88.2 C89.2 C102.2 R108.2 U13.1 U13.2 U13.3 U16.C6 U16.E6 U16.G6 U16.J6 U16.L6 | length 326.3
  (L6) Inner 5 w5: 4663,6399 4679,6385 ; 4663,6408 4680,6422 ; 4682,6423 4698,6408 ; 4684,6386 4699,6398 ; 4721,6384 4742,6398 ; 4723,6422 4742,6408 ; 4752,6442 4759,6424 ; 4755,6454 4768,6455 ; 4757,6480 4779,6490 ; 4762,6457 4769.82,6454.4 ; 4778,6452 4783.86,6451.16 ; 4783,6454 4783.86,6451.16 ; 4785,6451 4783.86,6451.16 ; 4788,6435 4787.75,6437.09 ; 4789,6435 4788.56,6435.74 ; 4790,6431 4788.56,6435.74 ; 4797,6472 4793.05,6466.71 ; 4769.82,6454.4 ccw(c4775,6470) 4770.18,6454.29 ; 4769.82,6454.4 ccw(c4775,6470) 4770.18,6454.29 ; 4770.18,6454.29 ccw(c4775,6470) 4788.17,6460.17 4793.05,6466.71 ; 4770.18,6454.29 4774.09,6453.09 cw(c4770.08,6440) 4781.83,6447.01 4787.75,6437.09 ; 4783.86,6451.16 4787.5,6439.22 ; 4787.5,6439.22 4786.41,6448.38 cw(c4800,6450) 4787.76,6456.12 4793.05,6466.71 ; 4787.5,6439.22 4787.75,6437.09 ; 4787.5,6439.22 4788.56,6435.74 ; 4787.75,6437.09 4788.56,6435.74
  other v1: 4704.72,5098.43 4704.72,5177.17 4704.72,5255.91 4704.72,5334.65 4704.72,5413.39 4655,6280 4675,6280 4655,6300 4675,6300 4655,6320 4675,6320 4655,6340 4675,6340
1V0_GTX_EN: R12.2 U1.16 U13.6 | length 1401.4
  (L1) Top w5: v1(3868,6477) 3868,6512 ccw(c3847.36,6512) 3861.95,6526.6 R12.2@3848.24,6540.31 3848.24,6583.24 cw(c3865,6583.24) 3865,6600 3907.93,6600 ccw(c3907.93,6617.07) 3920,6605 ccw(c3894.93,6630.07) 3930.39,6630.07 U1.16@3930.39,6646.67 ; U13.6@4740,6456.3 4756.07,6456.3 ccw(c4756.07,6468.93) 4765,6460 v1(4775,6470)
  (L3) Inner 2 w5: v1(3868,6477) 3868,6553 cw(c3903.31,6553) 3903.31,6588.31 4751.69,6588.31 cw(c4751.69,6555) 4785,6555 4785,6487.07 cw(c4767.93,6487.07) 4780,6475 v1(4775,6470)
1V0_GTX_PG: R107.1 U1.8 U13.5 | length 1610.9
  (L1) Top w5: v1(3795,6790) 3820.86,6790 cw(c3820.86,6755.86) 3845,6780 ccw(c3859.18,6794.18) 3859.18,6774.13 U1.8@3881.67,6774.13 ; U13.5@4740,6350 4740,6345.68 4743.41,6342.27 4767.27,6342.27 ccw(c4767.27,6355) 4780,6355 4780,6375 ccw(c4770,6375) 4770,6385 v1(4765.75,6385)
  (L3) Inner 2 w5: v1(3795,6790) 3823.79,6790 cw(c3823.79,6738.79) 3859.99,6775.01 3932.93,6702.07 ccw(c4010.35,6779.5) 4010.36,6670 4805,6670 cw(c4805,6650) 4825,6650 4825,6405 cw(c4805,6405) 4805,6385 v1(4765.75,6385)
  (L12) Bottom w5: v1(4765.75,6385) 4784.92,6385 cw(c4784.92,6379.92) R107.1@4790,6379.92
1V0_PG: C48.2 R85.1 U1.4 | length 4105.1
  (L1) Top w5: v1(3770,6815) cw(c3823.4,6761.6) 3823.4,6837.12 U1.4@3881.67,6837.12
  (L3) Inner 2 w5: v1(3335,4025) 3085,4025 cw(c3085,4040) 3070,4040 3070,4165 cw(c3118.28,4165) 3084.14,4199.14 3110,4225 ccw(c3073.79,4261.21) 3125,4261.21 3125,4395 3125,6295 cw(c3155,6295) 3155,6325 3195,6325 ccw(c3195,6385.36) 3237.68,6342.68 3685,6790 cw(c3745.36,6729.64) 3745.36,6815 v1(3770,6815)
  (L8) Inner 7 w5: v1(3335,4025) 3335,3560 ccw(c3358.44,3560) 3358.44,3536.56 v1(3401.68,3536.56)
  (L12) Bottom w4: R85.1@3400.99,3574.94 3400.99,3543.73 ccw(c3407.84,3543.73) C48.2@3403,3538.89
1V1RP2040: C1.2 C2.2 C3.2 U1.23 U1.45 U1.50 | length 324.9
  (L1) Top w8: U1.50@4009.13,6917.33 4009.06,6917.4 4009.06,6951.07 v1(4003.04,6957.09) 4004.22,6957.09 4023.24,6976.11 4067.67,6976.11 4086.68,6957.09 C3.2@4087.87,6957.09 ; U1.23@4040.62,6646.67 4040.62,6614.62 4045.31,6609.93 4045.39,6609.93 4048.41,6606.91 v1(4054.41,6606.91) ; U1.45@4087.87,6917.33 C3.2@4087.87,6957.09 ; v1(4157,6976) 4107.96,6976 4089.05,6957.09 C3.2@4087.87,6957.09
  (L5) Inner 4 w5: 4085,6724 4096,6712
1V2_GTX: C98.2 C99.2 C103.2 NT9.2 R114.2 U15.1 U15.2 U15.3 U16.B3 U16.C2 U16.D3 U16.G2 U16.H3 U16.L2 U16.M3 | length 534.9
  (L1) Top w10: v1(4615.89,5643.42) NT9.2@4630.62,5643.42
  (L6) Inner 5 w4: 4575.41,5911.95 4587,5934
  (L6) Inner 5 w5: 4484,5989 4477.39,6004.68 cw(c4490,6010) 4481.96,6021.07 4497,6032 ; 4491,5991 4509,6008 ; 4511,5972 4529,5989 ; 4532,5952 4551,5971 ; 4550,5930 4568,5948 ; 4633,5870 4635,5893 ; 4636,5735 4661,5735 ; 4637,5764 4662,5764 ; 4637,5865 4658,5865 ; 4638,5795 4658,5795
  (L10) Inner 9 w8: v1(4547.24,5098.43) ccw(c4547.24,5101.28) 4549.26,5099.26 4562,5112 cw(c4578.9,5095.1) 4578.9,5119 4592,5119 ccw(c4592,5133) 4606,5133 4606,5190 ccw(c4588.74,5190) 4600.94,5202.21 v1(4586.61,5216.54)
  (L12) Bottom w8: v1@4544.84,5258.31 v1(4547.24,5255.91) v1@4547.24,5257.24 ; v1(4547.24,5413.39) v1(4586.61,5452.76)
  other v1: 4586.61,5059.06 4586.61,5374.02 4690,5945 4710,5945 4680,5960 4700,5960 4670,5975 4690,5975 4660,5990 4680,5990